# Altium PCB iMX6 Rex_V1I1_PCB.PcbDoc (part 4 of 8) (continued)
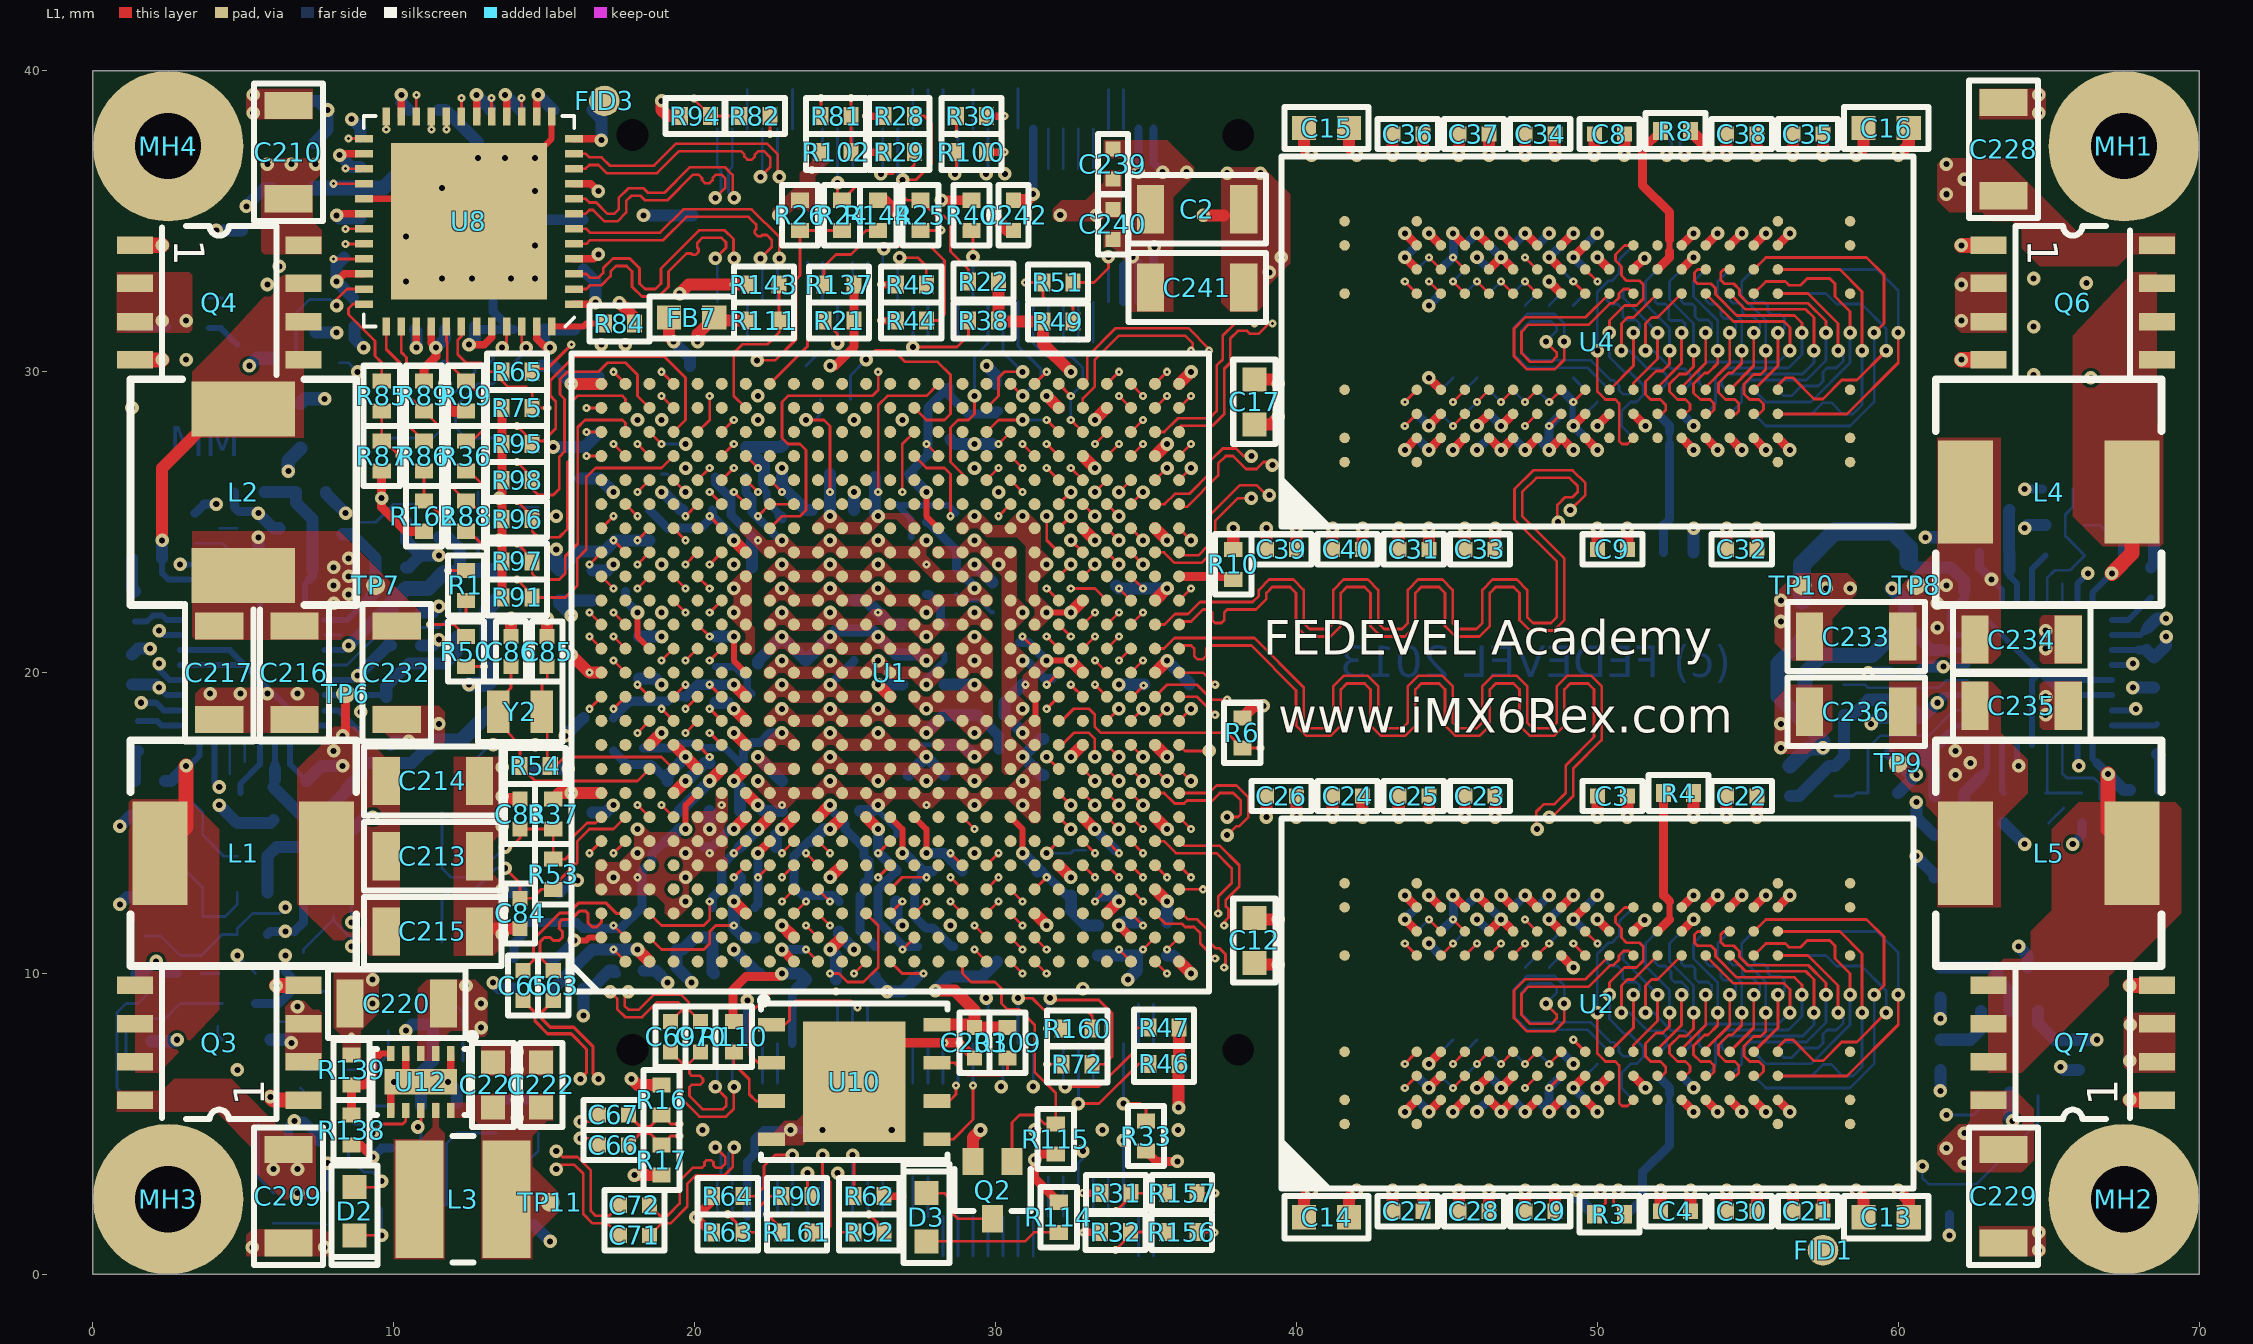
[diagram p0: L1 view]
## Nets (pads, with @x,y where several pads share a name; then routed paths per layer and width w, separated by ;. In a path a pad name is that pad's centre, name@x,y a point inside that pad or via, vN(x,y) a via of type N, cw(c..) or ccw(c..) an arc to the next point about the centre after c; other vN are vias at no path point) (continued)
  L1 w0.093: U1.W25@31.3,29.6 v2(31.7,30) ; v3(49.6,33.4) v2(50,33)
  L2 w0.1: v2(31.7,30) v3(32,30.3) ; v3(49.6,33.4) v2(50,33)
  L3 w0.08: v3(32,30.3) 32.095,30.3 36.595,34.8 37.7,34.8 39.3,36.4 48.25,36.4 48.5,36.15 48.5,35.5 48.7,35.3 49.4,35.3 49.6,35.1 49.6,34.47 49.75,34.32 49.75,34.08 49.6,33.93 v3(49.6,33.4)
DRAM_DQM0: U1.AC3 U2.D3 | length 17.3
  L1 w0.093: U1.AC3@34.5,12 v2(34.9,11.6) ; v2(46,7) v3(46.4,7.4)
  L2 w0.1: v3(34.6,11.3) v2(34.9,11.6) ; v2(46,7) v3(46.4,7.4)
  L3 w0.08: v3(34.6,11.3) 34.6,11.269 35.2,10.669 35.448,10.669 36.125,9.992 36.125,9.845 36.345,9.625 36.492,9.625 37.117,9 38.7,9 39.6,8.1 39.6,7.3 39.8,7.1 41.75,7.1 41.9,6.95 42.3,6.95 42.925,7.575 44.638,7.575 44.813,7.4 45.197,7.4 45.482,7.685 45.718,7.685 45.885,7.518 45.885,7.215 46,7.1 46.2,7.1 46.4,7.3 v3(46.4,7.4)
DRAM_DQM1: U1.AC6 U2.E7 | length 27.6
  L1 w0.093: U1.AC6@34.5,14.4 v2(34.9,14) ; v3(47.2,10.6) v2(47.6,11)
  L2 w0.1: v3(34.6,14.3) v2(34.9,14) ; v3(47.2,10.6) v2(47.6,11)
  L3 w0.08: v3(34.6,14.3) 34.6,14 34.8,13.8 35.3,13.8 35.725,14.225 36.4,14.225 36.825,13.8 37.051,13.8 37.32,13.531 38.531,13.531 39.05,14.05 47.15,14.05 47.6,13.6 48.46,13.6 48.91,14.05 50.65,14.05 50.975,13.725 50.975,12.6 50.825,12.45 50.575,12.45 50.425,12.6 50.425,12.75 50.2,12.975 49.845,12.975 49.685,12.815 49.515,12.815 49.355,12.975 48.245,12.975 47.975,12.705 47.975,12.445 47.5,11.97 47.5,11.715 47.715,11.5 47.715,10.815 47.5,10.6 v3(47.2,10.6)
DRAM_DQM2: U1.AB8 U3.E7 | length 28.5
  L1 w0.093: U1.AB8@33.7,16 v1(34.1,15.6)
  L10 w0.08: v1(34.1,15.6) 34.1,15.33 34.475,14.955 34.475,14.645 34.2,14.37 34.2,14 34.9,13.3 34.9,11.817 36.1,10.617 36.1,9.866 37.1,8.866 37.1,7.1 38.25,5.95 38.55,5.95 38.7,6.1 38.7,6.5 38.85,6.65 39.15,6.65 39.3,6.5 39.3,4.8 40.3,3.8 46.35,3.8 47.175,4.625 47.175,5.575 47.7,6.1 48.3,6.1 48.45,6.25 48.45,6.5 48.3,6.65 48.05,6.65 v6(48,6.6)
  L11 w0.1: v5(47.6,7) v6(48,6.6)
  L12 w0.093: U3.E7@47.2,7.4 v5(47.6,7)
DRAM_DQM3: U1.AE10 U3.D3 | length 19.8
  L1 w0.093: U1.AE10@36.1,17.6 36.3,17.4 v1(37.1,17.4)
  L10 w0.08: v1(37.1,17.4) 37.4,17.4 38,16.8 38,16.3 38.725,15.575 40.155,15.575 40.375,15.355 40.375,14.775 40.95,14.2 41.25,14.2 41.8,13.65 41.8,13.15 42.15,12.8 42.737,12.8 43,12.537 43,11.5 43.715,10.785 43.715,10.482 44.097,10.1 44.6,10.1 44.748,10.248 44.748,10.848 44.9,11 45.148,11 45.3,10.848 45.3,10.2 45.5,10 46.1,10 46.5,9.6 46.8,9.6 47,9.8 47,10.3 46.7,10.6 v6(46.4,10.6)
  L11 w0.1: v6(46.4,10.6) v5(46.8,11)
  L12 w0.093: v6(46.4,10.6) v5(46.8,11)
DRAM_DQM4: U1.AB18 U5.E7 | length 31.9
  L1 w0.093: U1.AB18@33.7,24 v1(34.1,23.6)
  L10 w0.08: v1(34.1,23.6) 34.1,23.587 33.513,23 32.3,23 32.1,22.8 32.1,21.2 32.25,21.05 32.747,21.05 32.9,21.203 32.9,22.5 33.05,22.65 33.3,22.65 33.45,22.5 33.45,21.317 33.667,21.1 36.4,21.1 36.75,20.75 42.35,20.75 42.767,21.167 42.767,23.167 43.275,23.675 45.075,23.675 46,24.6 46,25.4 47.625,27.025 47.755,27.025 48.025,27.295 48.025,27.683 48.4,28.058 48.4,28.7 48.1,29 v5(47.6,29) v6(47.2,29.4)
  L11 w0.1: v6(47.2,29.4) v5(47.6,29)
  L12 w0.093: v6(47.2,29.4) v5(47.6,29)
DRAM_DQM5: U1.AC20 U5.D3 | length 18.4
  L1 w0.093: U1.AC20@34.5,25.6 v1(34.9,26)
  L10 w0.08: v1(34.9,26) 34.9,26.563 35.1,26.763 35.1,27.025 34.9,27.225 34.9,28.5 36.025,29.625 36.655,29.625 36.9,29.87 36.9,30.5 38.7,32.3 39.7,32.3 40.325,32.925 43.278,32.925 43.628,32.575 44.925,32.575 45.185,32.315 46.115,32.315 v6(46.4,32.6)
  L11 w0.1: v6(46.4,32.6) v5(46.8,33)
  L12 w0.093: v6(46.4,32.6) v5(46.8,33)
DRAM_DQM6: U1.AD24 U4.D3 | length 17.1
  L1 w0.093: U1.AD24@35.3,28.8 v2(35.7,29.2) ; v2(46,29) v3(46.4,29.4)
  L2 w0.1: v3(35.4,28.9) v2(35.7,29.2) ; v2(46,29) v3(46.4,29.4)
  L3 w0.08: v3(35.4,28.9) 35.4,28.3 35.71,27.99 36.095,27.99 36.5,27.585 37.147,27.585 37.4,27.837 38.747,27.837 38.984,27.6 39.4,27.6 40.35,26.65 42.15,26.65 42.4,26.9 42.4,27.7 42.573,27.873 43.873,27.873 44,28 44,28.33 44.245,28.575 44.555,28.575 44.73,28.4 44.997,28.4 45.482,28.885 45.885,28.885 46.07,28.7 46.3,28.7 46.5,28.9 46.5,29.3 v3(46.4,29.4)
DRAM_DQM7: U1.Y21 U4.E7 | length 25
  L1 w0.093: v2(31.7,26.8) U1.Y21@32.1,26.4 ; v2(46.8,33) v3(47.2,32.6)
  L2 w0.1: v2(31.7,26.8) v3(32,26.5) ; v2(46.8,33) v3(47.2,32.6)
  L3 w0.08: v3(32,26.5) 32.3,26.5 33,27.2 33,27.497 32.515,27.982 32.515,28.315 33.515,29.315 33.515,30.095 37.02,33.6 38,33.6 39.6,35.2 46,35.2 46.4,34.8 46.4,34.47 46.585,34.285 46.585,34.115 46.4,33.93 46.4,33.4 46.6,33.2 47,33.2 47.2,33 v3(47.2,32.6)
DRAM_DQS0_N: U1.AD3 U2.B7 | length 17.4
  L1 w0.09: U1.AD3@35.3,12 35.645,11.655 36.191,11.655 36.296,11.55 36.6,11.55 36.804,11.346 36.804,10.996 v2(37.3,10.5) ; v3(44.8,10.6) v2(45.2,11)
  L2 w0.1: v2(37.3,10.5) v3(37.6,10.8) ; v3(44.8,10.6) v2(45.2,11)
  L3 w0.085: v3(37.6,10.8) 37.624,10.8 38.097,11.273 38.708,11.273 39.033,10.948 39.94,10.948 40.58,10.308 40.58,9.8 40.73,9.65 41.03,9.65 41.18,9.8 41.18,10.542 ; 41.18,10.558 41.494,10.872 42.026,10.872 42.34,10.558 42.34,9.7 42.49,9.55 42.79,9.55 42.94,9.7 42.94,10.016 43.254,10.33 43.786,10.33 44.1,10.016 44.1,9.616 44.3,9.416 44.6,9.416 44.8,9.616 44.8,9.796 45.2,10.196 45.2,10.4 45,10.6 v3(44.8,10.6)
DRAM_DQS0_P: U1.AE3 U2.C7 | length 17.4
  L1 w0.09: U1.AE3@36.1,12 36.2,12 36.4,11.8 36.704,11.8 37.054,11.45 37.054,11.1 37.314,10.84 37.441,10.84 37.64,10.641 37.64,10.24 v2(37.6,10.2) ; v3(45.6,10.6) v2(46,11)
  L2 w0.1: v2(37.6,10.2) v3(37.9,10.5) ; v3(45.6,10.6) v2(46,11)
  L3 w0.085: v3(37.9,10.5) 37.973,10.573 37.973,10.753 38.213,10.993 38.592,10.993 38.917,10.668 39.825,10.668 40.3,10.192 40.3,9.684 40.614,9.37 41.146,9.37 41.46,9.684 41.46,10.442 41.61,10.592 41.91,10.592 42.06,10.442 42.06,9.584 42.374,9.27 42.906,9.27 43.22,9.584 43.22,9.9 43.37,10.05 43.67,10.05 43.82,9.9 43.82,9.5 44.184,9.136 44.716,9.136 45.08,9.5 45.08,9.68 45.6,10.2 v3(45.6,10.6)
DRAM_DQS1_N: U1.AE6 U2.G3 | length 27.6
  L1 w0.09: U1.AE6@36.1,14.4 36.25,14.25 37.45,14.25 38.1,13.6 38.1,12.9 37.65,12.45 37.65,12.231 37.74,12.141 37.74,11.859 37.6,11.719 v2(37.6,11.6) ; v2(48.4,7) v3(48.8,7.4)
  L2 w0.1: v3(37.3,11.3) v2(37.6,11.6) ; v2(48.4,7) v3(48.8,7.4)
  L3 w0.085: v3(37.3,11.3) 36.973,11.3 36.84,11.168 36.84,10.594 37.334,10.1 39,10.1 40.38,8.72 40.38,8.5 40.8,8.08 42,8.08 42.5,8.58 45.32,8.58 45.84,9.1 45.84,9.666 46.154,9.98 46.686,9.98 47,9.666 47,8.8 47.15,8.65 47.45,8.65 47.62,8.82 47.62,9.52 47.918,9.818 49.278,9.818 49.632,9.463 49.632,8.737 49.216,8.32 48.766,8.32 48.4,7.954 48.4,7.5 48.5,7.4 v3(48.8,7.4)
DRAM_DQS1_P: U1.AD6 U2.F3 | length 27.6
  L1 w0.09: U1.AD6@35.3,14.4 35.6,14.4 36,14 37.346,14 37.85,13.496 37.85,13.004 37.4,12.554 v2(37.4,12) ; v2(47.6,7) v3(48,7.4)
  L2 w0.1: v3(37.1,11.7) v2(37.4,12) ; v2(47.6,7) v3(48,7.4)
  L3 w0.085: v3(37.1,11.7) 36.977,11.7 36.56,11.283 36.56,10.478 37.218,9.82 38.884,9.82 40.1,8.604 40.1,8.384 40.684,7.8 42.116,7.8 42.616,8.3 45.436,8.3 46.12,8.984 46.12,9.55 46.27,9.7 46.57,9.7 46.72,9.55 46.72,8.704 ; 46.72,8.684 47.034,8.37 47.566,8.37 47.9,8.704 47.9,9.404 48.034,9.538 49.162,9.538 49.352,9.348 49.352,8.852 49.1,8.6 48.65,8.6 48.12,8.07 48.12,7.52 v3(48,7.4)
DRAM_DQS2_N: U1.AE8 U3.G3 | length 28.6
  L1 w0.09: U1.AE8@36.1,16 37.1,16 37.35,16.25 38.004,16.25 38.4,15.854 38.4,15.196 38.104,14.9 38.008,14.9 37.708,14.6 v1(37.7,14.6)
  L10 w0.085: v1(37.7,14.6) 37.748,14.552 39.352,14.552 39.628,14.276 39.628,14.064 38.7,13.135 38.7,12.656 39.041,12.315 39.52,12.315 40.348,13.143 40.592,13.143 40.768,12.967 40.768,12.723 40,11.955 40,11.476 40.341,11.135 40.916,11.135 41.516,11.735 41.861,11.735 41.996,11.6 41.996,11.3 41.496,10.8 41.496,10.225 41.837,9.884 43.012,9.884 43.796,9.1 45.604,9.1 46.12,8.584 46.12,8.234 46.554,7.8 47.492,7.8 47.876,8.184 47.876,9.776 48.1,10 48.471,10 48.7,10.229 48.7,10.5 v6(48.8,10.6)
  L11 w0.1: v5(48.4,10.2) v6(48.8,10.6)
  L12 w0.09: v5(48.4,10.2) v6(48.8,10.6)
DRAM_DQS2_P: U1.AD8 U3.F3 | length 28.6
  L1 w0.09: U1.AD8@35.3,16 35.605,16 35.955,15.65 36.27,15.65 36.37,15.75 37.204,15.75 37.454,16 37.9,16 38.15,15.75 38.15,15.3 38.05,15.2 37.75,15.2 v1(37.7,15.2)
  L10 w0.085: v1(37.7,15.2) 37.754,15.2 38.122,14.833 39.468,14.833 39.908,14.392 39.908,13.948 38.98,13.019 38.98,12.772 39.157,12.595 39.404,12.595 40.233,13.423 40.708,13.423 41.048,13.083 41.048,12.607 40.28,11.839 40.28,11.592 40.457,11.415 40.8,11.415 41.4,12.015 41.977,12.015 42.276,11.716 42.276,11.184 41.776,10.684 41.776,10.341 41.953,10.164 43.128,10.164 43.912,9.38 45.72,9.38 46.4,8.7 46.4,8.35 46.67,8.08 47.376,8.08 47.596,8.3 47.596,9.892 47.984,10.28 48.355,10.28 48.42,10.345 48.42,10.48 48.3,10.6 v6(48,10.6)
  L11 w0.1: v5(47.6,10.2) v6(48,10.6)
  L12 w0.09: v5(47.6,10.2) v6(48,10.6)
DRAM_DQS3_N: U1.AB10 U3.B7 | length 19.9
  L1 w0.09: U1.AB10@33.7,17.6 v1(34.1,17.2)
  L10 w0.085: v1(34.1,17.2) 34.1,17.22 34.31,17.43 34.31,17.736 34.604,18.03 35.87,18.03 37.332,16.568 37.332,14.368 37.78,13.92 37.78,12.836 40.1,10.516 40.384,10.516 40.75,10.15 40.75,9.866 41.518,9.098 42.702,9.098 43.42,8.38 44.92,8.38 45.1,8.2 v6(45.6,8.2)
  L11 w0.1: v5(45.2,7.8) v6(45.6,8.2)
  L12 w0.09: U3.B7@44.8,7.4 v5(45.2,7.8)
DRAM_DQS3_P: U1.AC10 U3.C7 | length 19.9
  L1 w0.09: U1.AC10@34.5,17.6 v1(34.9,17.2)
  L10 w0.085: v1(34.9,17.2) 34.814,17.2 34.59,17.424 34.59,17.62 34.72,17.75 35.754,17.75 37.052,16.452 37.052,14.252 37.5,13.804 37.5,12.72 39.984,10.236 40.268,10.236 40.47,10.034 40.47,9.75 41.402,8.818 42.586,8.818 43.304,8.1 44.804,8.1 44.984,7.92 45.35,7.92 45.6,7.67 v6(45.6,7.4)
  L11 w0.1: v6(45.6,7.4) v5(46,7.8)
  L12 w0.09: v6(45.6,7.4) v5(46,7.8)
DRAM_DQS4_N: U1.AE18 U5.G3 | length 32
  L1 w0.09: U1.AE18@36.1,24 36.2,23.9 36.746,23.9 37.05,24.204 37.05,25.15 38.13,26.23 38.678,26.23 39.008,25.9 v1(39.1,25.9)
  L10 w0.085: v1(39.1,25.9) 38.117,26.883 38.117,27.115 37.652,27.58 36.616,27.58 36.466,27.73 36.466,28.03 36.616,28.18 37.576,28.18 38.08,28.684 38.08,29.28 39.24,30.44 39.24,30.96 39.39,31.11 39.69,31.11 39.84,30.96 39.84,29.66 40.154,29.346 40.686,29.346 41,29.66 41,31.584 41.15,31.734 41.45,31.734 41.6,31.584 41.6,30.5 41.914,30.186 42.446,30.186 42.76,30.5 42.76,31.264 43.048,31.552 45.348,31.552 45.7,31.2 45.7,30.7 46.014,30.386 46.546,30.386 46.86,30.7 46.86,31.36 47.254,31.754 48,31.754 48.48,32.234 48.48,32.4 48.68,32.6 v6(48.8,32.6)
  L11 w0.1: v5(48.4,32.2) v6(48.8,32.6)
  L12 w0.09: v5(48.4,32.2) v6(48.8,32.6)
DRAM_DQS4_P: U1.AD18 U5.F3 | length 32
  L1 w0.09: U1.AD18@35.3,24 35.6,24 35.95,23.65 36.85,23.65 37.3,24.1 37.3,25.046 38.054,25.8 v1(38.5,25.8)
  L10 w0.085: v1(38.5,25.8) 38.5,26.104 37.837,26.767 37.837,26.999 37.536,27.3 36.5,27.3 36.186,27.614 36.186,28.146 36.5,28.46 37.46,28.46 37.8,28.8 37.8,29.396 38.96,30.556 38.96,31.076 39.274,31.39 39.806,31.39 40.12,31.076 40.12,29.776 40.27,29.626 40.57,29.626 40.72,29.776 40.72,31.7 41.034,32.014 41.566,32.014 41.88,31.7 41.88,30.616 42.03,30.466 42.33,30.466 42.48,30.616 42.48,31.38 42.932,31.832 45.463,31.832 45.98,31.316 45.98,30.816 46.13,30.666 46.43,30.666 46.58,30.816 46.58,31.476 47.138,32.034 47.884,32.034 48.2,32.35 48.2,32.5 48.1,32.6 v6(48,32.6)
  L11 w0.1: v5(47.6,32.2) v6(48,32.6)
  L12 w0.09: v5(47.6,32.2) v6(48,32.6)
DRAM_DQS5_N: U1.AE20 U5.B7 | length 18.5
  L1 w0.09: U1.AE20@36.1,25.6 36.19,25.51 36.356,25.51 37.4,26.554 37.4,26.946 37.654,27.2 37.892,27.2 38.322,26.77 38.678,26.77 38.908,27 39.1,27 v1(39.2,26.9)
  L10 w0.085: v1(39.2,26.9) 38.963,27.137 38.963,27.392 38.78,27.574 38.78,28.4 39.248,28.868 39.552,28.868 39.8,28.62 39.8,27.5 40.28,27.02 41.416,27.02 41.896,27.5 41.896,28.396 44.1,30.6 44.6,30.6 45.32,29.88 45.32,29.647 45.073,29.4 v6(44.8,29.4)
  L11 w0.1: v6(44.8,29.4) v5(45.2,29.8)
  L12 w0.09: v6(44.8,29.4) v5(45.2,29.8)
DRAM_DQS5_P: U1.AD20 U5.C7 | length 18.5
  L1 w0.09: U1.AD20@35.3,25.6 35.612,25.6 35.957,25.945 36.438,25.945 37.15,26.657 37.15,27.05 37.55,27.45 37.995,27.45 38.245,27.2 v1(38.5,27.2)
  L10 w0.085: v1(38.5,27.2) 38.5,28.516 39.132,29.148 39.668,29.148 40.08,28.736 40.08,27.616 40.396,27.3 41.3,27.3 41.616,27.616 41.616,28.512 43.984,30.88 44.716,30.88 45.6,29.996 v6(45.6,29.4)
  L11 w0.1: v6(45.6,29.4) v5(46,29.8)
  L12 w0.09: v6(45.6,29.4) v5(46,29.8)
DRAM_DQS6_N: U1.AE23 U4.B7 | length 17.2
  L1 w0.09: U1.AE23@36.1,28 36.1,28.141 36.164,28.205 37.212,28.205 37.6,28.593 37.6,30.1 37.8,30.3 37.8,31.1 38.06,31.36 38.36,31.36 38.459,31.26 38.741,31.26 39.081,31.6 v2(39.2,31.6) ; v2(44.4,33) v3(44.8,32.6)
  L2 w0.1: v3(38.9,31.9) v2(39.2,31.6) ; v2(44.4,33) v3(44.8,32.6)
  L3 w0.085: v3(38.9,31.9) 39.22,31.58 40.08,31.58 40.6,32.1 43.916,32.1 44.316,31.7 44.696,31.7 45.266,31.13 45.585,31.13 45.755,31.3 45.755,31.619 45.3,32.074 45.3,32.373 45.073,32.6 v3(44.8,32.6)
DRAM_DQS6_P: U1.AD23 U4.C7 | length 17.2
  L1 w0.09: U1.AD23@35.3,28 35.605,28 36.06,28.455 37.109,28.455 37.35,28.696 37.35,30.204 37.55,30.404 37.55,31.204 37.956,31.61 38.59,31.61 v2(38.6,31.6) ; v2(45.2,33) v3(45.6,32.6)
  L2 w0.1: v2(38.6,31.6) v3(38.9,31.3) ; v2(45.2,33) v3(45.6,32.6)
  L3 w0.085: v3(38.9,31.3) 40.196,31.3 40.716,31.82 43.8,31.82 43.91,31.71 44.2,31.42 44.58,31.42 45.15,30.85 45.701,30.85 46.035,31.184 46.035,31.735 45.58,32.19 45.58,32.58 v3(45.6,32.6)
DRAM_DQS7_N: U1.AA24 U4.G3 | length 25
  L1 w0.09: U1.AA24@32.9,28.8 32.9,29.112 33.3,29.512 33.3,30.401 34.099,31.2 36.303,31.2 36.552,30.952 36.552,30.752 v2(36.5,30.7) ; v2(48.4,29) v3(48.8,29.4)
  L2 w0.1: v2(36.5,30.7) v3(36.8,31) ; v2(48.4,29) v3(48.8,29.4)
  L3 w0.085: v3(36.8,31) 38.2,31 38.6,30.6 44.53,30.6 44.95,30.18 47.43,30.18 47.6,30.35 47.6,31.716 47.964,32.08 49.216,32.08 49.58,31.716 49.58,30.48 49.12,30.02 48.82,30.02 48.72,29.92 48.72,29.48 v3(48.8,29.4)
DRAM_DQS7_P: U1.AA25 U4.F3 | length 25
  L1 w0.09: U1.AA25@32.9,29.6 33.05,29.75 33.05,30.505 33.995,31.45 36.407,31.45 37.1,30.757 v2(37.1,30.7) ; v2(47.6,29) v3(48,29.4)
  L2 w0.1: v3(36.8,30.4) v2(37.1,30.7) ; v2(47.6,29) v3(48,29.4)
  L3 w0.085: v3(36.8,30.4) 36.8,30.469 37.051,30.72 38.084,30.72 38.484,30.32 44.414,30.32 44.824,29.91 ; 44.834,29.9 47.546,29.9 47.88,30.234 47.88,31.6 48.08,31.8 49.1,31.8 49.3,31.6 49.3,30.596 49.004,30.3 48.704,30.3 48.44,30.036 48.44,29.618 48.222,29.4 v3(48,29.4)
DRAM_RAS_B: U1.AB15 U2.J3 U3.J3 U4.J3 U5.J3 | length 70.1
  L1 w0.093: U1.AB15@33.7,21.6 v2(34.1,22) ; U2.J3@50.4,7.4 51.2,8.2 v1(51.2,9.3) ; U4.J3@50.4,29.4 51.2,30.2 v1(51.2,31.3)
  L2 w0.1: v3(33.8,21.7) v2(34.1,22)
  L3 w0.08: v3(33.8,21.7) 33.715,21.615 33.312,21.615 32.497,20.8 29.8,20.8 29.675,20.925 29.675,21.355 29.455,21.575 28.275,21.575 28.125,21.425 28.125,21.175 28.3,21 28.3,20.55 28.15,20.4 28.15,20.15 28.275,20.025 32.7,20.025 32.875,20.2 32.875,20.372 33.285,20.782 33.285,20.788 33.712,21.215 34.001,21.215 34.136,21.35 39.335,21.35 41.435,19.25 46.35,19.25 v4(46.5,19.1)
  L10 w0.08: v1(51.2,9.3) 51.2,9.6 52.533,10.933 52.533,12 52.255,12.278 52.255,13.345 50.975,14.625 50.762,14.625 50.425,14.962 50.425,15.305 50.13,15.6 49.825,15.6 49.175,16.25 47.05,16.25 46.8,16.5 46.8,17 46.95,17.15 47.65,17.15 47.8,17.3 47.8,17.55 47.65,17.7 46.95,17.7 46.8,17.85 46.8,18.533 46.5,18.833 v4(46.5,19.1) 46.5,19.2 47,19.7 47,22.4 47.55,22.95 48.68,22.95 49.955,24.225 50.238,24.225 50.575,24.562 50.575,25.109 52.533,27.068 52.533,29.074 51.2,30.407 v1(51.2,31.3)
  L12 w0.093: U3.J3@50.4,10.6 50.316,10.516 50.316,10.366 50.433,10.25 50.667,10.25 50.846,10.071 50.846,9.837 50.966,9.716 51.284,9.716 51.4,9.6 51.4,9.425 51.275,9.3 v1(51.2,9.3) ; U5.J3@50.4,32.6 50.316,32.516 50.316,32.366 50.433,32.25 50.667,32.25 50.846,32.071 50.846,31.837 50.966,31.716 51.284,31.716 51.4,31.6 51.4,31.425 51.275,31.3 v1(51.2,31.3)
DRAM_RESET_B: R7.2 U1.Y6 U2.T2 U3.T2 U4.T2 U5.T2 | length 80.6
  L1 w0.093: v1(31.7,14) U1.Y6@32.1,14.4 ; U2.T2@56,6.6 58.3,6.6 60,8.3 v1(60,9.3) ; U4.T2@56,28.6 58.3,28.6 60,30.3 v1(60,31.3)
  L3 w0.08: v1(31.7,14) 31.7,14.53 32.395,15.225 35.125,15.225 35.3,15.4 37.37,15.4 37.545,15.575 55.558,15.575 57.1,17.117 57.1,17.7 57.6,18.2 58.3,18.2 58.9,18.8 59.2,18.8 v4(60.8,20.4)
  L10 w0.08: v1(60,9.3) 61.1,10.4 61.1,18.231 60.8,18.531 v4(60.8,20.4) 60.8,23.425 61.35,23.975 61.35,29.95 v1(60,31.3)
  L12 w0.093: v1@31.8,14.1 v1(31.7,14) 32.5,14 32.6,14.1 R7.2@33,14.1 ; U3.T2@56,11.4 59.3,11.4 60,10.7 v1(60,9.3) ; U5.T2@56,33.4 59.3,33.4 60,32.7 v1(60,31.3)
DRAM_SDBA0: U1.AC15 U2.M2 U3.M2 U4.M2 U5.M2 | length 80.2
  L1 w0.093: U1.AC15@34.5,21.6 v2(34.9,22) ; U2.M2@52.775,6.625 52.95,6.625 53.075,6.75 53.075,6.925 52.925,7.075 52.665,7.075 52.4,7.34 52.4,7.6 52.725,7.925 52.959,7.925 53.2,8.166 v1(53.2,8.7) ; U4.M2@52.775,28.625 52.95,28.625 53.075,28.75 53.075,28.925 52.925,29.075 52.665,29.075 52.4,29.34 52.4,29.6 52.725,29.925 52.959,29.925 53.2,30.166 v1(53.2,30.7)
  L2 w0.1: v3(34.6,21.7) v2(34.9,22)
  L3 w0.08: v3(34.6,21.7) 34.7,21.6 39.418,21.6 41.518,19.5 46.7,19.5 46.9,19.3 47.575,19.3 48.15,18.725 50.75,18.725 50.9,18.875 50.9,19.217 50.642,19.475 49.454,19.475 v4(49.279,19.3)
  L10 w0.08: v1(53.2,8.7) 53.2,9.634 55.175,11.609 55.175,12.78 54.955,13 54.43,13 54.107,13.323 54.107,13.593 54.336,13.821 54.336,14.091 54.127,14.3 53.857,14.3 53.579,14.021 53.309,14.021 53.1,14.23 53.1,14.5 53.575,14.975 53.575,15.355 53.355,15.575 53.025,15.575 52.65,15.2 52.38,15.2 52.171,15.409 52.171,15.658 51.35,16.479 51.35,17.9 51.2,18.05 50.95,18.05 50.8,17.9 50.8,17.4 50.65,17.25 50.4,17.25 50.25,17.4 50.25,17.9 50.1,18.05 49.85,18.05 49.7,17.9 49.7,17.65 49.55,17.5 49.3,17.5 49.15,17.65 49.15,18.4 49.3,18.55 50.9,18.55 51.05,18.7 51.05,18.95 50.9,19.1 49.479,19.1 v4(49.279,19.3) 49.279,20.179 49.429,20.329 49.679,20.329 49.829,20.179 49.829,19.771 49.979,19.621 50.229,19.621 50.379,19.771 50.379,20.179 50.529,20.329 50.759,20.329 51.9,21.47 51.9,22.6 52.05,22.75 52.667,22.75 52.817,22.9 52.817,23.15 52.667,23.3 52,23.3 51.85,23.45 51.85,23.7 52,23.85 53.15,23.85 53.3,24 53.3,24.25 53.15,24.4 52.55,24.4 52.4,24.55 52.4,25 52.6,25.2 54.25,25.2 54.4,25.35 54.4,25.6 54.25,25.75 53.65,25.75 53.5,25.9 53.5,26.15 53.65,26.3 55.03,26.3 55.975,27.245 55.975,27.744 53.2,30.519 v1(53.2,30.7)
  L12 w0.093: U3.M2@52.8,11.4 52.4,11 52.4,10.4 53.2,9.6 53.2,9.321 v1(53.2,8.7) ; U5.M2@52.8,33.4 52.4,33 52.4,32.4 53.2,31.6 v1(53.2,30.7)
DRAM_SDBA1: U1.Y15 U2.N8 U3.N8 U4.N8 U5.N8 | length 77.1
  L1 w0.093: U1.Y15@32.1,21.6 v2(32.5,21.2) ; U2.N8@53.6,11.4 53.325,11.4 53.225,11.3 53.225,11.025 53.325,10.925 53.775,10.925 53.925,10.775 53.925,10.575 54.625,9.875 56.55,9.875 56.8,9.625 v1(56.8,9.3) ; U4.N8@53.6,33.4 53.325,33.4 53.225,33.3 53.225,33.025 53.325,32.925 53.775,32.925 53.925,32.775 53.925,32.575 54.625,31.875 56.55,31.875 56.8,31.625 v1(56.8,31.3)
  L2 w0.1: v3(32.2,21.5) v2(32.5,21.2)
  L3 w0.08: v3(32.2,21.5) 32.125,21.575 32.125,22.155 32.555,22.585 32.815,22.585 33.725,23.495 33.725,23.755 33.995,24.025 36.775,24.025 36.9,23.9 48.9,23.9 49.6,23.2 49.6,21.17 50.045,20.725 51.025,20.725 51.5,21.2 54.7,21.2 v4(54.9,21)
  L10 w0.08: v1(56.8,9.3) 56.8,9.946 58.45,11.596 58.45,17.371 56.6,19.221 56.6,19.33 54.93,21 v4(54.9,21) 54.725,21.175 54.725,21.425 54.9,21.6 55.078,21.6 55.317,21.361 55.573,21.361 55.675,21.463 55.675,21.725 55.381,22.019 55.381,22.211 58.8,25.63 58.8,28.554 56.8,30.554 v1(56.8,31.3)
  L12 w0.093: U3.N8@53.6,6.6 53.925,6.925 53.925,7.825 54.225,8.125 56.355,8.125 56.8,8.57 v1(56.8,9.3) ; U5.N8@53.6,28.6 53.925,28.925 53.925,29.825 54.225,30.125 56.355,30.125 56.8,30.57 v1(56.8,31.3)
DRAM_SDBA2: U1.AB12 U2.M3 U3.M3 U4.M3 U5.M3 | length 72.4
  L1 w0.093: v2(33.3,19.6) U1.AB12@33.7,19.2 ; U2.M3@52.8,7.4 52.8,7.483 53.6,8.283 v1(53.6,9.3) ; U4.M3@52.8,29.4 52.8,29.483 53.6,30.283 v1(53.6,31.3)
  L2 w0.1: v2(33.3,19.6) v3(33.6,19.3)
  L3 w0.08: v3(33.6,19.3) 33.203,19.3 32.9,18.997 32.9,17.8 33.125,17.575 33.455,17.575 33.675,17.355 33.675,17.025 33.9,16.8 35.9,16.8 36.1,17 36.1,18 36.325,18.225 36.738,18.225 37.113,18.6 37.5,18.6 37.633,18.733 37.633,18.918 37.8,19.085 38.118,19.085 38.285,18.918 38.285,18.515 38.5,18.3 39.365,18.3 40.665,17 44.487,17 44.762,17.275 45.521,17.275 46.046,16.75 52.15,16.75 52.5,17.1 v4(52.5,17.5)
  L10 w0.08: v1(53.6,9.3) 53.6,9.67 55.975,12.045 55.975,12.755 55.53,13.2 54.9,13.2 54.6,13.5 54.6,14.7 54.475,14.825 54.145,14.825 53.925,15.045 53.925,15.355 54.145,15.575 54.575,15.575 54.7,15.7 54.7,16.4 54.55,16.55 54.3,16.55 54.15,16.4 54.15,16.15 53.8,15.8 52.35,15.8 52.2,15.95 52.2,16.2 52.35,16.35 53.5,16.35 53.65,16.5 53.65,16.75 53.5,16.9 51.9,16.9 51.75,17.05 51.75,17.3 51.9,17.45 52.45,17.45 v4(52.5,17.5) 52.6,17.6 52.6,18 51,19.6 51,20.2 52.1,21.3 52.1,21.85 53.1,22.85 53.1,23.07 54.675,24.645 54.675,25.145 56.775,27.245 56.775,27.555 56.13,28.2 55.873,28.2 53.6,30.473 v1(53.6,31.3)
  L12 w0.093: U3.M3@52.8,10.6 52.8,10.333 52.883,10.25 53.167,10.25 53.246,10.171 53.246,9.837 53.366,9.716 53.684,9.716 53.8,9.6 53.8,9.425 53.675,9.3 v1(53.6,9.3) ; U5.M3@52.8,32.6 52.8,32.333 52.883,32.25 53.167,32.25 53.246,32.171 53.246,31.837 53.366,31.716 53.684,31.716 53.8,31.6 53.8,31.425 53.675,31.3 v1(53.6,31.3)
DRAM_SDCKE0: R6.2 U1.Y11 U2.K9 U3.K9 U4.K9 U5.K9 | length 81.5
  L1 w0.093: U1.Y11@32.1,18.4 32.2,18.4 32.6,18.8 33.1,18.8 33.3,18.6 33.3,18.2 33.5,18 37.7,18 R6.2@38.2,17.5 v2(38.8,17.5) ; v1(50.4,9.3) 50.4,9.7 50.9,10.2 51.3,10.2 51.525,10.425 51.525,10.9 51.4,11.025 50.975,11.025 50.8,11.2 50.8,11.5 50.6,11.7 50.6,11.9 50.9,12.2 U2.K9@51.2,12.2 ; v1(50.4,31.3) 50.4,31.7 50.9,32.2 51.3,32.2 51.525,32.425 51.525,32.9 51.4,33.025 50.975,33.025 50.8,33.2 50.8,33.5 50.6,33.7 50.6,33.9 50.9,34.2 U4.K9@51.2,34.2
  L2 w0.1: v3(38.5,17.8) v2(38.8,17.5)
  L3 w0.08: v3(38.5,17.8) 36.97,17.8 36.725,17.555 36.725,16.725 36.95,16.5 37.2,16.5 37.35,16.65 37.35,17.08 37.5,17.23 37.75,17.23 37.9,17.08 37.9,16.65 38.05,16.5 38.3,16.5 38.45,16.65 38.45,17.08 38.6,17.23 38.85,17.23 39,17.08 39,16.65 39.15,16.5 39.4,16.5 39.55,16.65 39.55,16.98 39.7,17.13 39.95,17.13 40.1,16.98 40.1,16.65 40.25,16.5 44.8,16.5 45,16.7 v4(45.1,16.7)
  L10 w0.08: v1(50.4,9.3) 50.4,9.6 51.948,11.148 51.948,11.974 51.685,12.237 51.685,13.198 50.658,14.225 50.596,14.225 50.221,14.6 49.787,14.6 49.3,15.087 49.3,15.325 48.825,15.8 48.187,15.8 47.937,15.55 47.15,15.55 46.4,16.3 45.75,16.3 45.6,16.45 45.6,16.7 45.75,16.85 46.2,16.85 46.35,17 46.35,17.25 46.2,17.4 45.65,17.4 45.5,17.55 45.5,17.8 45.65,17.95 46.2,17.95 46.35,18.1 46.35,18.35 45.7,19 45.3,19 45,18.7 45,17.375 45.3,17.075 45.3,16.9 v4(45.1,16.7) 44.802,16.7 44.25,17.253 44.25,18.65 45.2,19.6 45.2,22.1 46.55,23.45 48.5,23.45 49.625,24.575 49.625,24.955 49.987,25.317 50.1,25.317 52,27.217 52,28.9 50.4,30.5 v1(50.4,31.3)
  L12 w0.093: v1(50.4,9.3) 50.4,8.487 50.888,8 51.075,8 51.525,7.55 51.525,7.225 51.3,7 51.1,7 50.8,6.7 50.8,6.2 U3.K9@51.2,5.8 ; v1(50.4,31.3) 50.4,30.487 50.888,30 51.075,30 51.525,29.55 51.525,29.225 51.3,29 51.1,29 50.8,28.7 50.8,28.2 U5.K9@51.2,27.8
DRAM_SDODT0: U1.AC16 U2.K1 U3.K1 U4.K1 U5.K1 | length 79.1
  L1 w0.093: v2(34.1,22.8) U1.AC16@34.5,22.4 ; v1(50,8.7) 50,7.34 50.265,7.075 50.6,7.075 50.725,6.95 50.725,5.7 50.825,5.6 51,5.6 U2.K1@51.2,5.8 ; v1(50,30.7) 50,29.34 50.265,29.075 50.6,29.075 50.725,28.95 50.725,27.7 50.825,27.6 51,27.6 U4.K1@51.2,27.8
  L2 w0.1: v2(34.1,22.8) v3(34.4,23.1)
  L3 w0.08: v3(34.4,23.1) 34.93,23.1 35.48,23.65 48.833,23.65 49.35,23.133 49.35,21.05 48.925,20.625 47.509,20.625 47.3,20.834 47.3,21.2 47.15,21.35 45,21.35 44.85,21.5 v4(44.7,21.5)
  L10 w0.08: v1(50,8.7) 50.025,8.725 50.025,9.574 51.4,10.949 51.4,11.416 51.198,11.618 51.198,11.928 51.4,12.13 51.4,13.138 50.138,14.4 49.704,14.4 49.004,15.1 49.004,15.296 48.725,15.575 48.245,15.575 48,15.33 47,15.33 46.28,16.05 45.12,16.05 43.9,17.27 43.9,18.7 44.9,19.7 44.9,21.3 v4(44.7,21.5) 44.45,21.5 44.25,21.3 44.25,20.4 44.1,20.25 43.8,20.25 43.65,20.4 43.65,22.55 43.8,22.7 44.05,22.7 44.2,22.55 44.2,22.3 44.35,22.15 44.6,22.15 44.75,22.3 44.75,22.55 44.9,22.7 45.4,22.7 46.4,23.7 48.417,23.7 49.425,24.708 49.425,25.038 51.5,27.113 51.5,27.7 51.225,27.975 51.225,28.4 51.5,28.675 51.5,29 50,30.5 v1(50,30.7)
  L12 w0.093: v1(50,8.7) 50,10.66 50.365,11.025 50.485,11.025 50.725,11.265 50.725,11.725 U3.K1@51.2,12.2 ; v1(50,30.7) 50,32.66 50.365,33.025 50.485,33.025 50.725,33.265 50.725,33.725 U5.K1@51.2,34.2
DRAM_WE_B: U1.AB16 U2.L3 U3.L3 U4.L3 U5.L3 | length 70.9
  L1 w0.093: v2(32.5,22.8) 33.3,22.8 U1.AB16@33.7,22.4 ; U2.L3@52,7.4 52,7.483 52.8,8.283 v1(52.8,9.3) ; U4.L3@52,29.4 52,29.483 52.8,30.283 v1(52.8,31.3)
  L2 w0.1: v3(32.2,23.1) v2(32.5,22.8)
  L3 w0.08: v3(32.2,23.1) 32.2,23.325 32.125,23.4 32.125,24.555 32.395,24.825 32.655,24.825 32.925,25.095 32.925,25.355 33.145,25.575 34.255,25.575 34.805,25.025 36.738,25.025 37.338,24.425 51.175,24.425 51.65,23.95 51.65,23.05 51.5,22.9 51.25,22.9 51.1,22.75 51.1,22.45 51.25,22.3 51.5,22.3 51.65,22.15 51.65,21.85 51.5,21.7 51.2,21.7 50.7,21.2 v4(50.7,21.1)
  L10 w0.08: v1(52.8,9.3) 52.8,9.6 54.575,11.375 54.575,12.1 54.375,12.3 54.375,12.755 54.05,13.08 53.895,13.08 51.875,15.1 51.875,15.421 50.046,17.25 49.2,17.25 48.9,17.55 48.9,20.4 49.125,20.625 50.325,20.625 50.7,21 v4(50.7,21.1) 51.05,21.45 51.525,21.45 51.675,21.6 51.675,21.85 51.525,22 50.9,22 50.75,22.15 50.75,22.4 50.9,22.55 51.525,22.55 51.675,22.7 51.675,22.95 51.525,23.1 50.925,23.1 50.775,23.25 50.775,23.5 50.925,23.65 51.5,23.65 52.125,24.275 52.125,25.179 53.771,26.825 54.925,26.825 55.2,27.1 55.2,28.166 52.8,30.566 v1(52.8,31.3)
  L12 w0.093: U3.L3@52,10.6 51.916,10.516 51.916,10.366 52.033,10.25 52.267,10.25 52.446,10.071 52.446,9.837 52.566,9.716 52.8,9.716 53,9.516 53,9.425 52.875,9.3 v1(52.8,9.3) ; U5.L3@52,32.6 51.925,32.525 51.925,32.325 52,32.25 52.267,32.25 52.375,32.142 52.375,31.758 52.433,31.7 52.817,31.7 52.921,31.596 52.921,31.396 52.825,31.3 v1(52.8,31.3)
EN_1V375: Q5.3 R93.2 R132.1 U11.27 | length 24.7
  L10 w0.08: v6(4.15,22.95) 3.2,22 3.2,18.475 2.725,18 2.725,16.745 3.1,16.37 v6(3.1,15.5) 3.1,12.7 3.8,12 3.8,11.2 4.162,10.838 4.162,8.696 4.759,8.1 4.759,7.541 4.9,7.4 5.9,6.4 6.3,6.4 v6(6.5,6.2)
  L11 w0.1: v6(3.1,15.5) v5(3.1,15.9) ; v6(4.15,22.95) v5(4.55,22.95) ; v6(6.5,6.2) v5(6.9,6.2)
  L12 w0.093: v5(3.1,15.9) 3.65,15.35 Q5.3@3.65,14.6 4.35,13.9 R132.1@4.8,13.9 ; U11.27@4.55,22.4 v5(4.55,22.95) ; v5(6.9,6.2) R93.2@7.5,5.6
ENET_LED_LINK: J1.56 R81.2 | length 7.9
  L1 w0.093: R81.2@24.2,38.5 v2(24.2,39.1)
  L2 w0.1: v3(24.2,38.7) v2(24.2,39.1)
  L3 w0.08: v4(20.5,38.6) 21.425,38.6 21.6,38.775 24.125,38.775 v3(24.2,38.7)
  L10 w0.08: v4(20.5,38.6) 20.5,39 20.883,39.383 v6(21.35,39.383)
  L11 w0.1: v6(21.35,39.383) v5(21.75,39.383)
  L12 w0.093: J1.56@21.75,38.07 v5(21.75,39.383)
ENET_LED_RX: J1.55 R82.2 | length 12
  L1 w0.093: v2(22.5,37.9) R82.2@22.5,38.5
  L2 w0.1: v2(22.5,37.9) v3(22.8,38.2)
  L3 w0.08: v4(22.4,38.2) v3(22.8,38.2)
  L10 w0.08: v6(21.35,31.017) 20.312,32.055 20.312,34.012 20.7,34.4 21.4,34.4 21.777,34.777 21.777,36.8 22.4,37.423 v4(22.4,38.2)
  L11 w0.1: v6(21.35,31.017) v5(21.75,31.017)
  L12 w0.093: v5(21.75,31.017) J1.55@21.75,32.33
ENET_REF_CLK: R36.2 U1.V22 | length 23
  L1 w0.093: R36.2@12.4,26.7 12.5,26.7 v2(13,26.2) ; U1.V22@30.5,27.2 v2(30.9,26.8)
  L2 w0.1: v3(12.7,26.5) v2(13,26.2) ; v3(30.6,27.1) v2(30.9,26.8)
  L3 w0.08: v3(12.7,26.5) 13,26.8 13.897,26.8 14.282,26.415 14.518,26.415 14.618,26.515 16.465,26.515 16.6,26.65 17.65,26.65 17.65,26.647 18.672,25.625 19.055,25.625 19.275,25.845 19.275,26.105 19.545,26.375 19.855,26.375 20.155,26.075 21.325,26.075 21.6,25.8 23.103,25.8 23.485,26.182 23.485,26.885 24.2,27.6 26.1,27.6 26.2,27.5 27.7,27.5 27.85,27.35 28.95,27.35 29.125,27.175 30.525,27.175 v3(30.6,27.1)
ENET_REF_CLK_R: R36.1 R99.2 U8.41 | length 4.7
  L1 w0.093: U8.41@11.75,31.51 11.75,31.005 11.775,30.98 11.775,30.325 R99.2@12.4,29.7 13,29.1 13,28.1 12.6,27.7 R36.1@12.4,27.7